# Altium PCB PCB.PcbDoc (part 1 of 4) (continued)
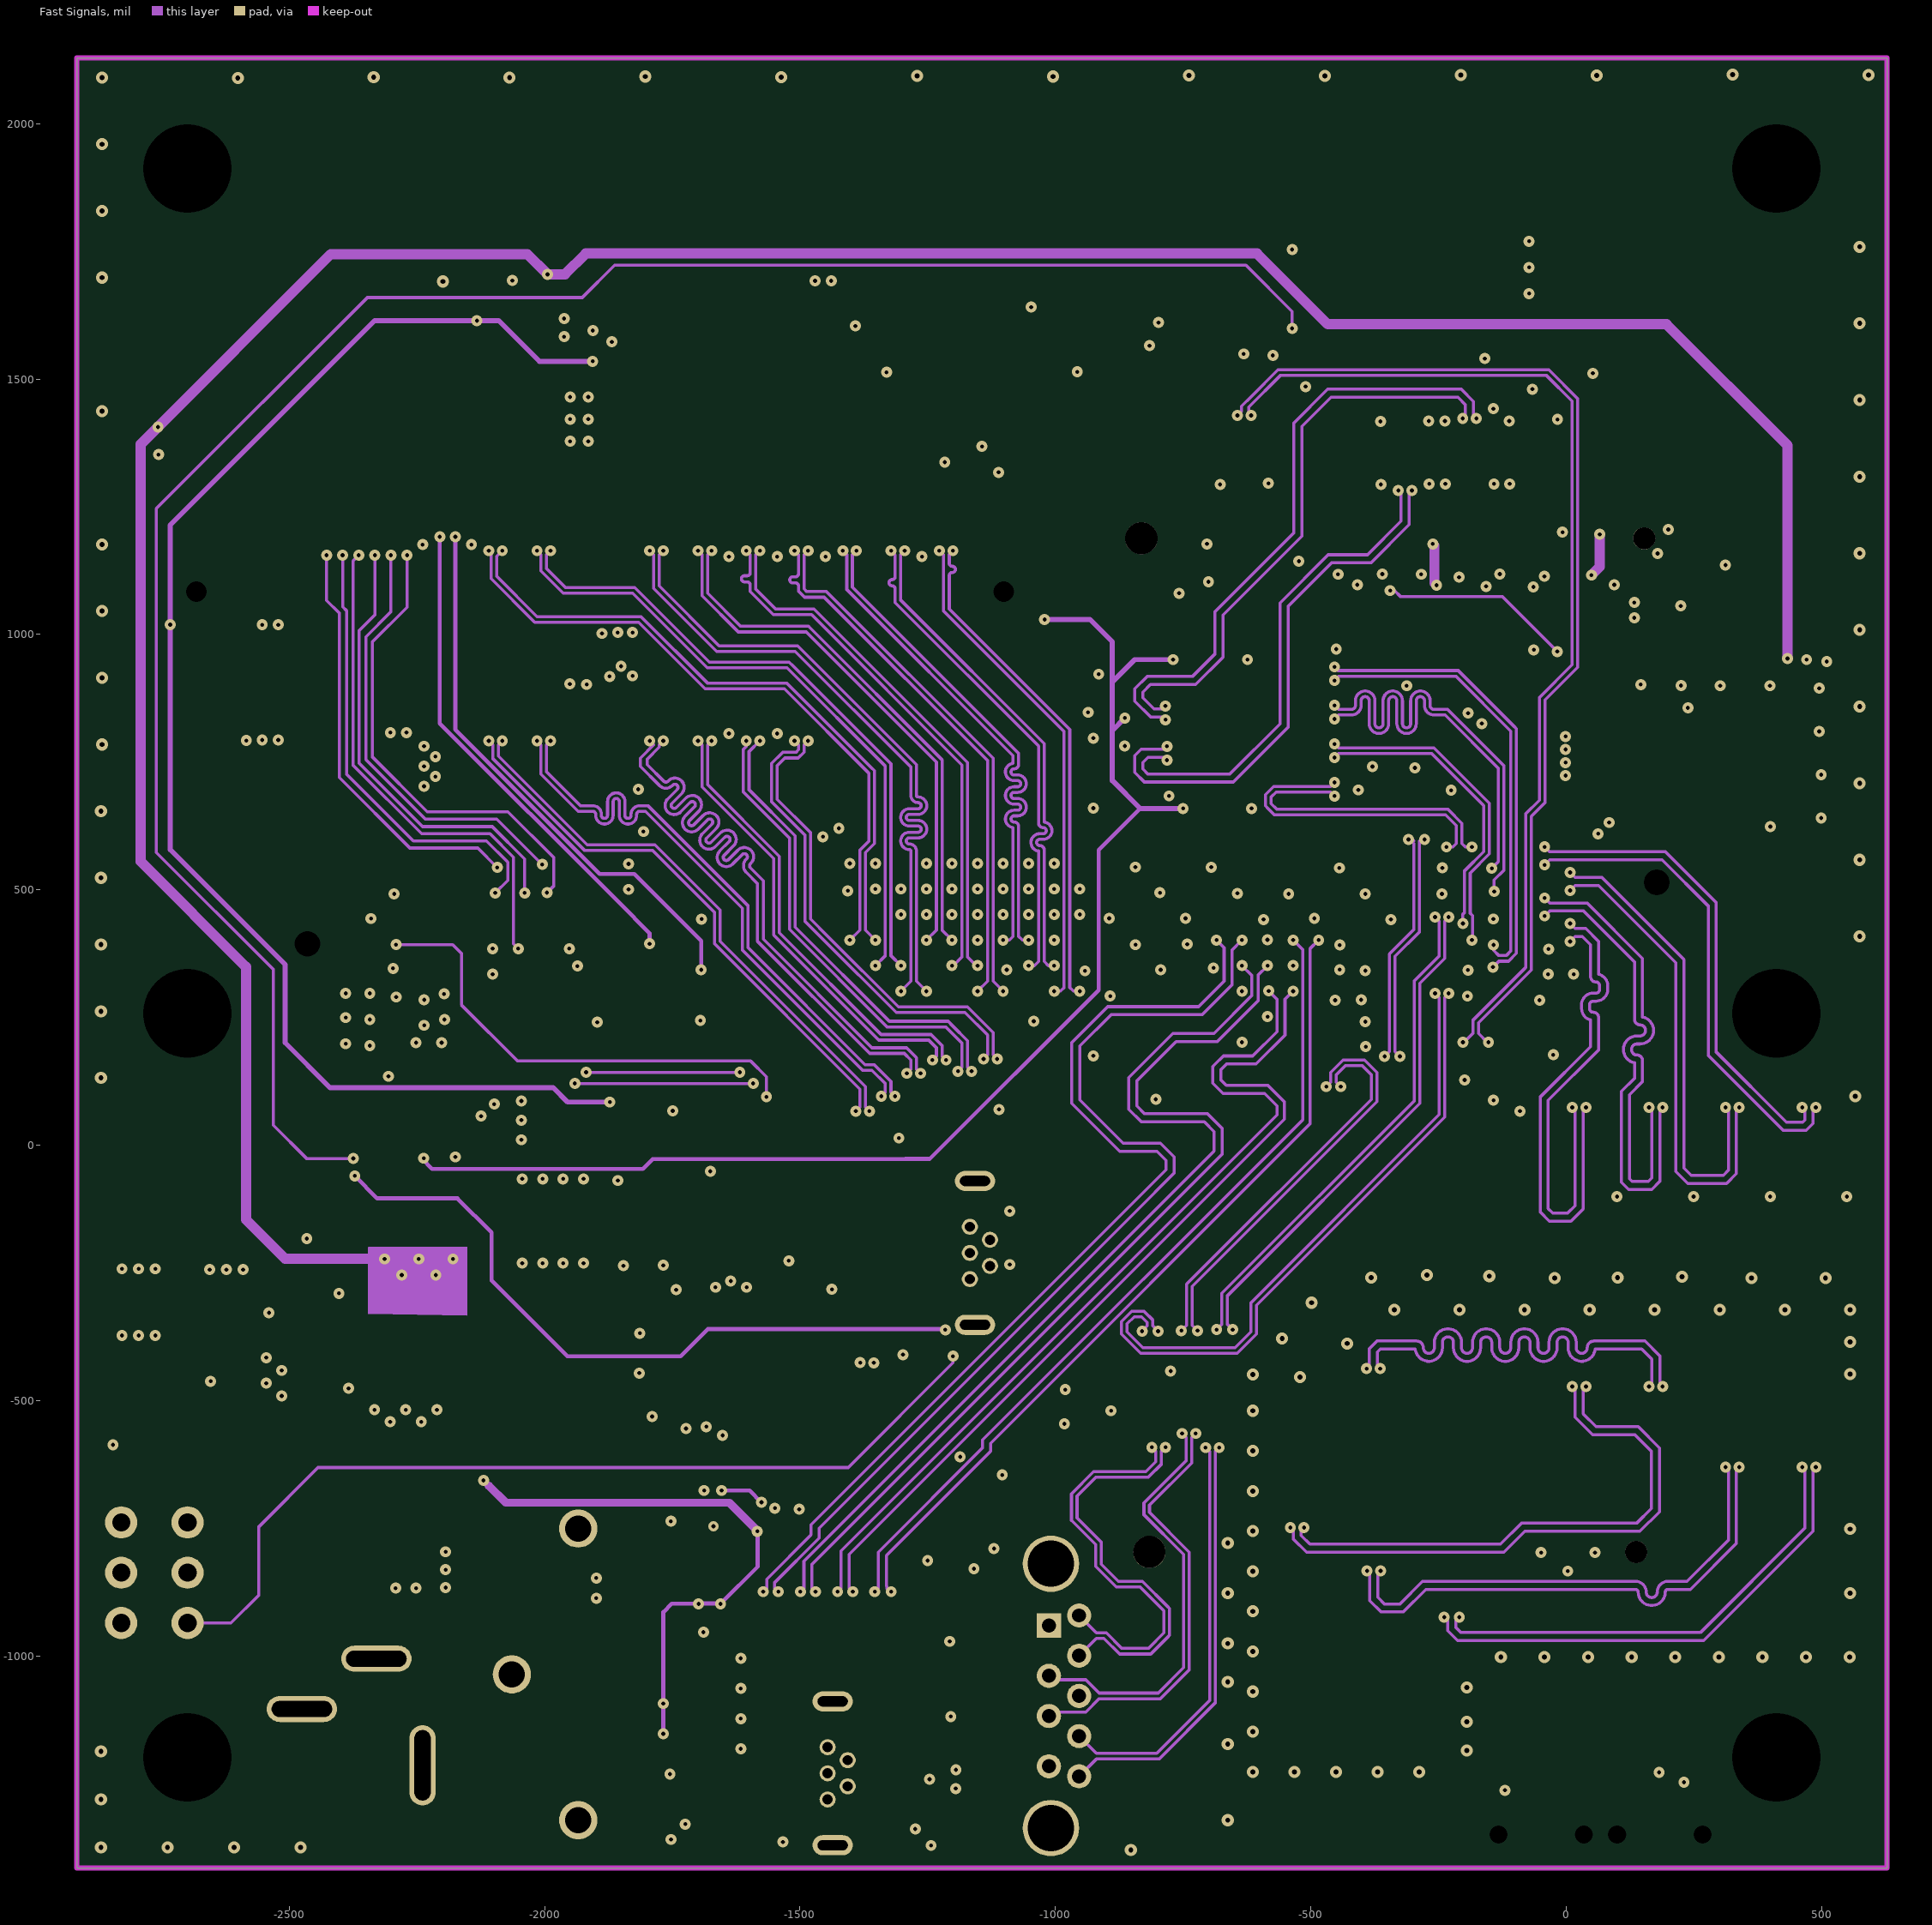
[diagram p4: Fast Signals]
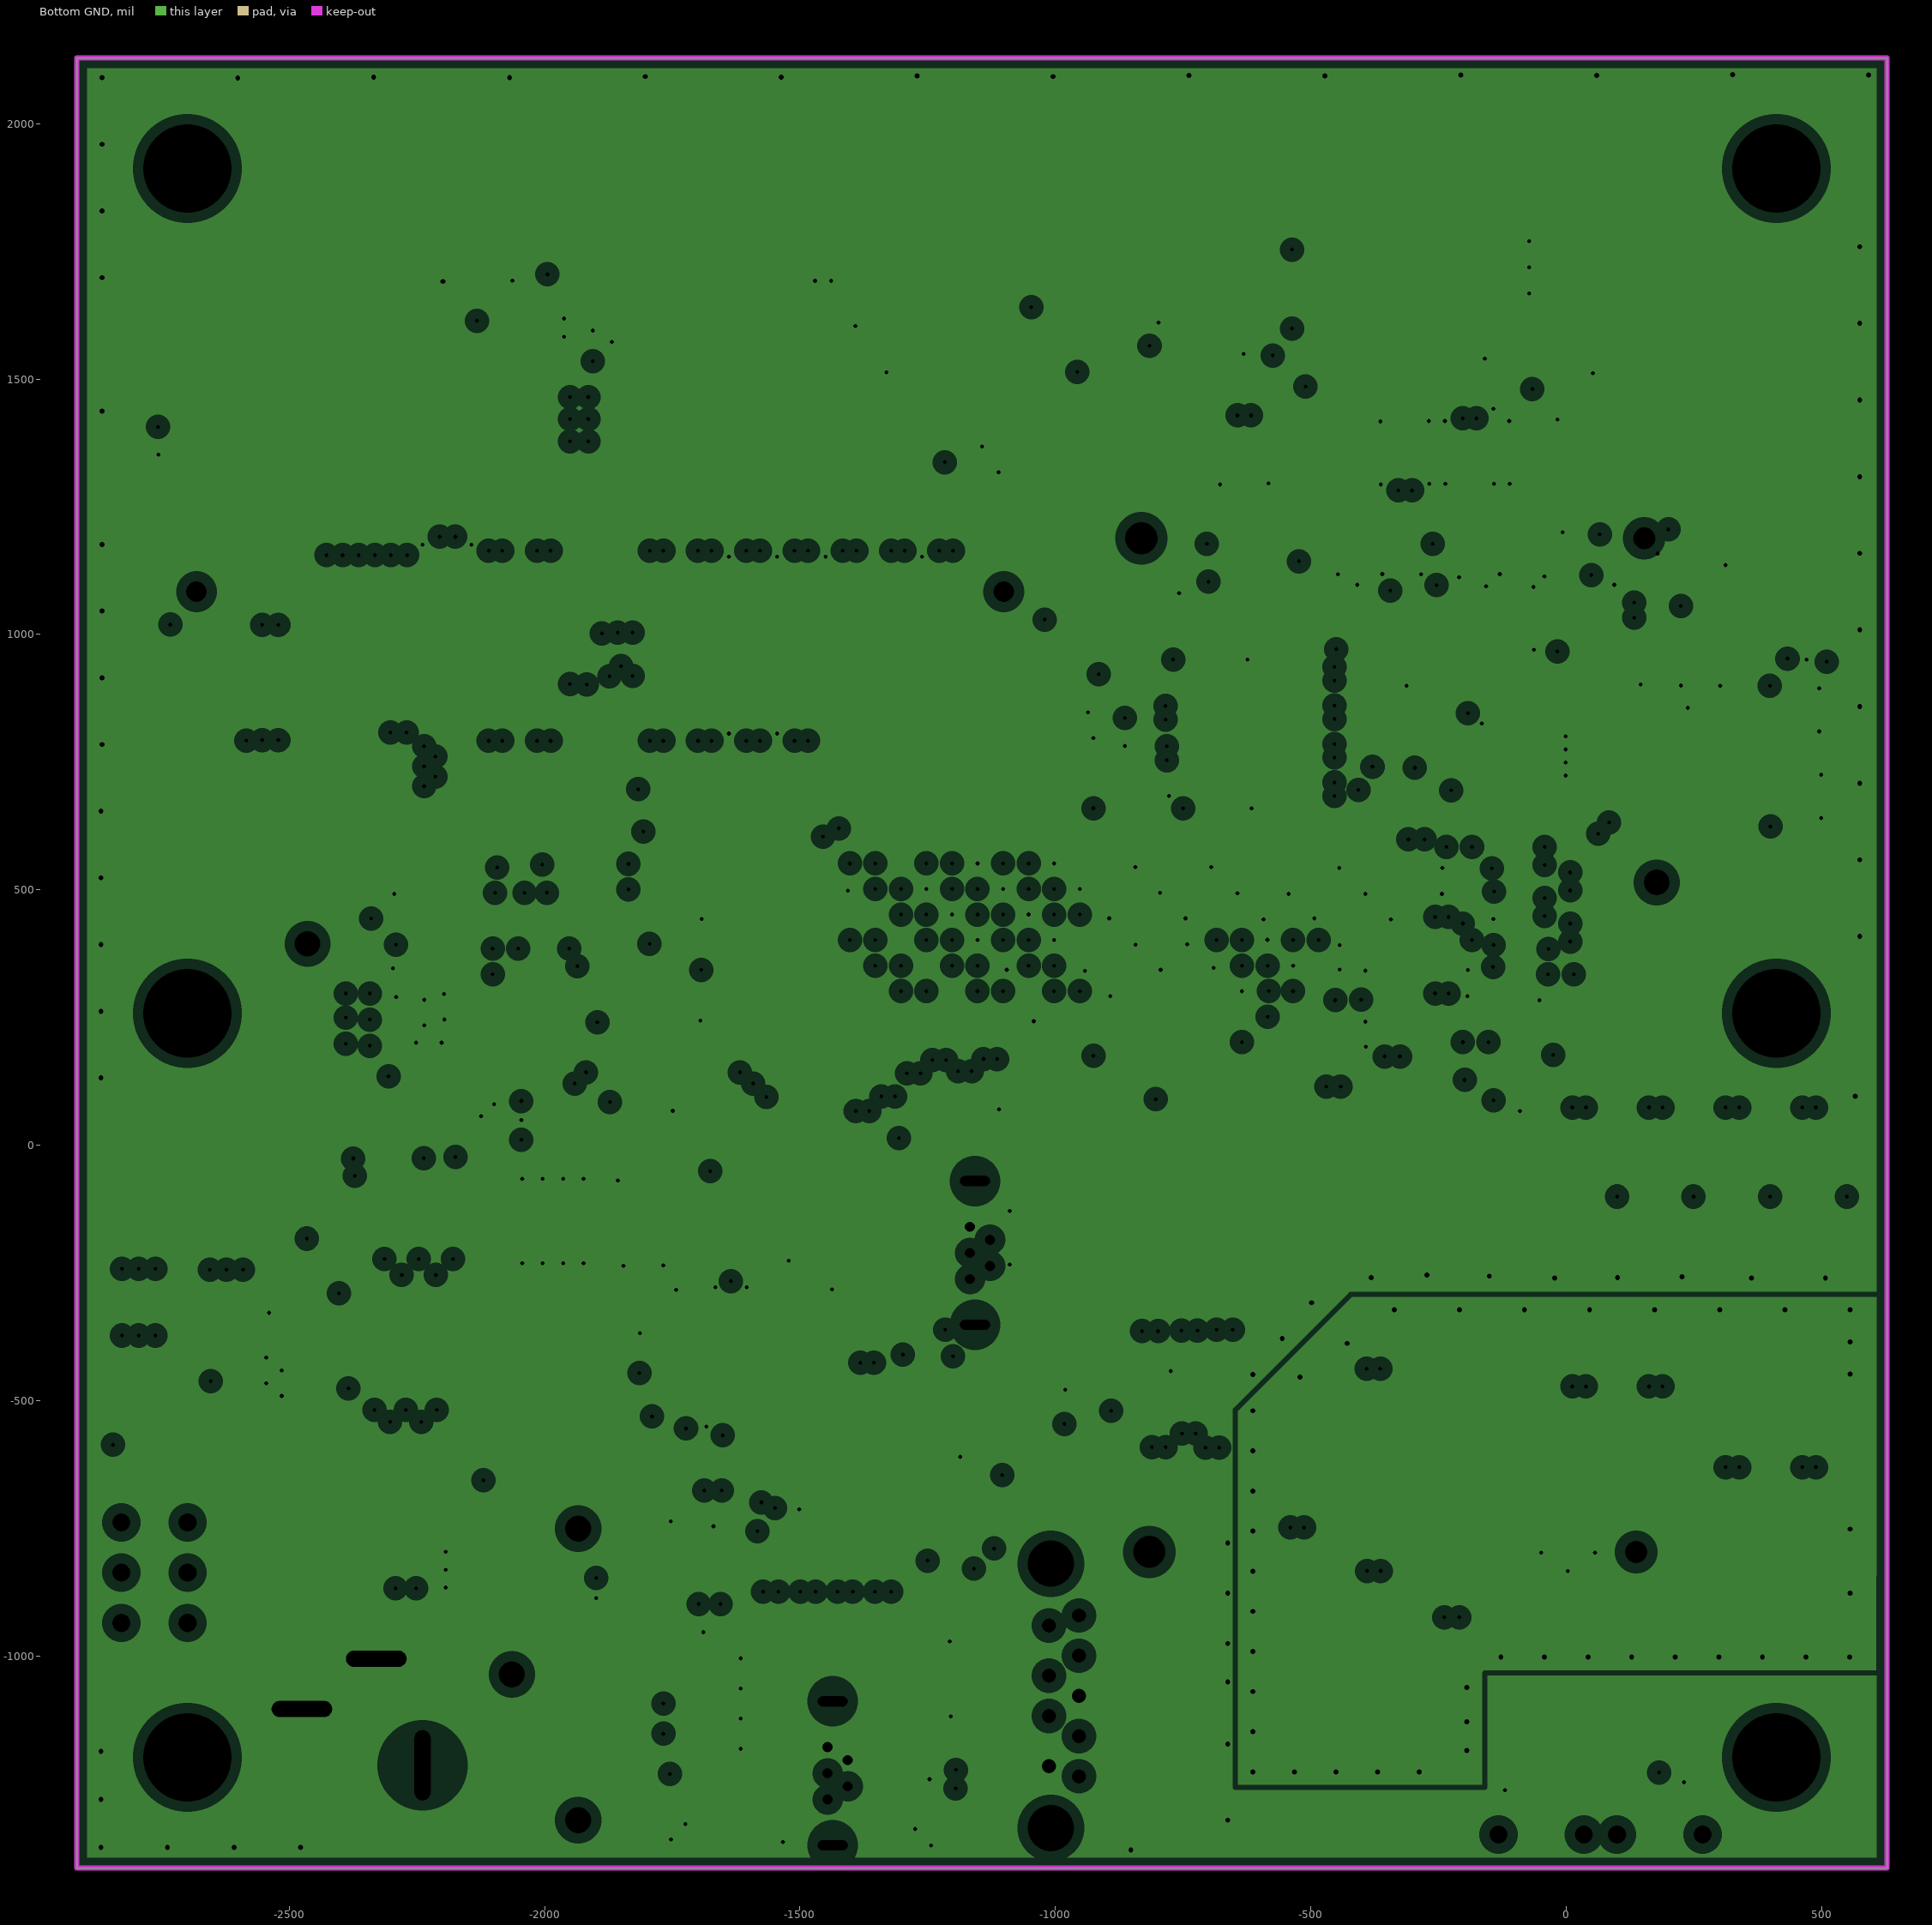
[diagram p5: Bottom GND, clearances drawn from the general rule]
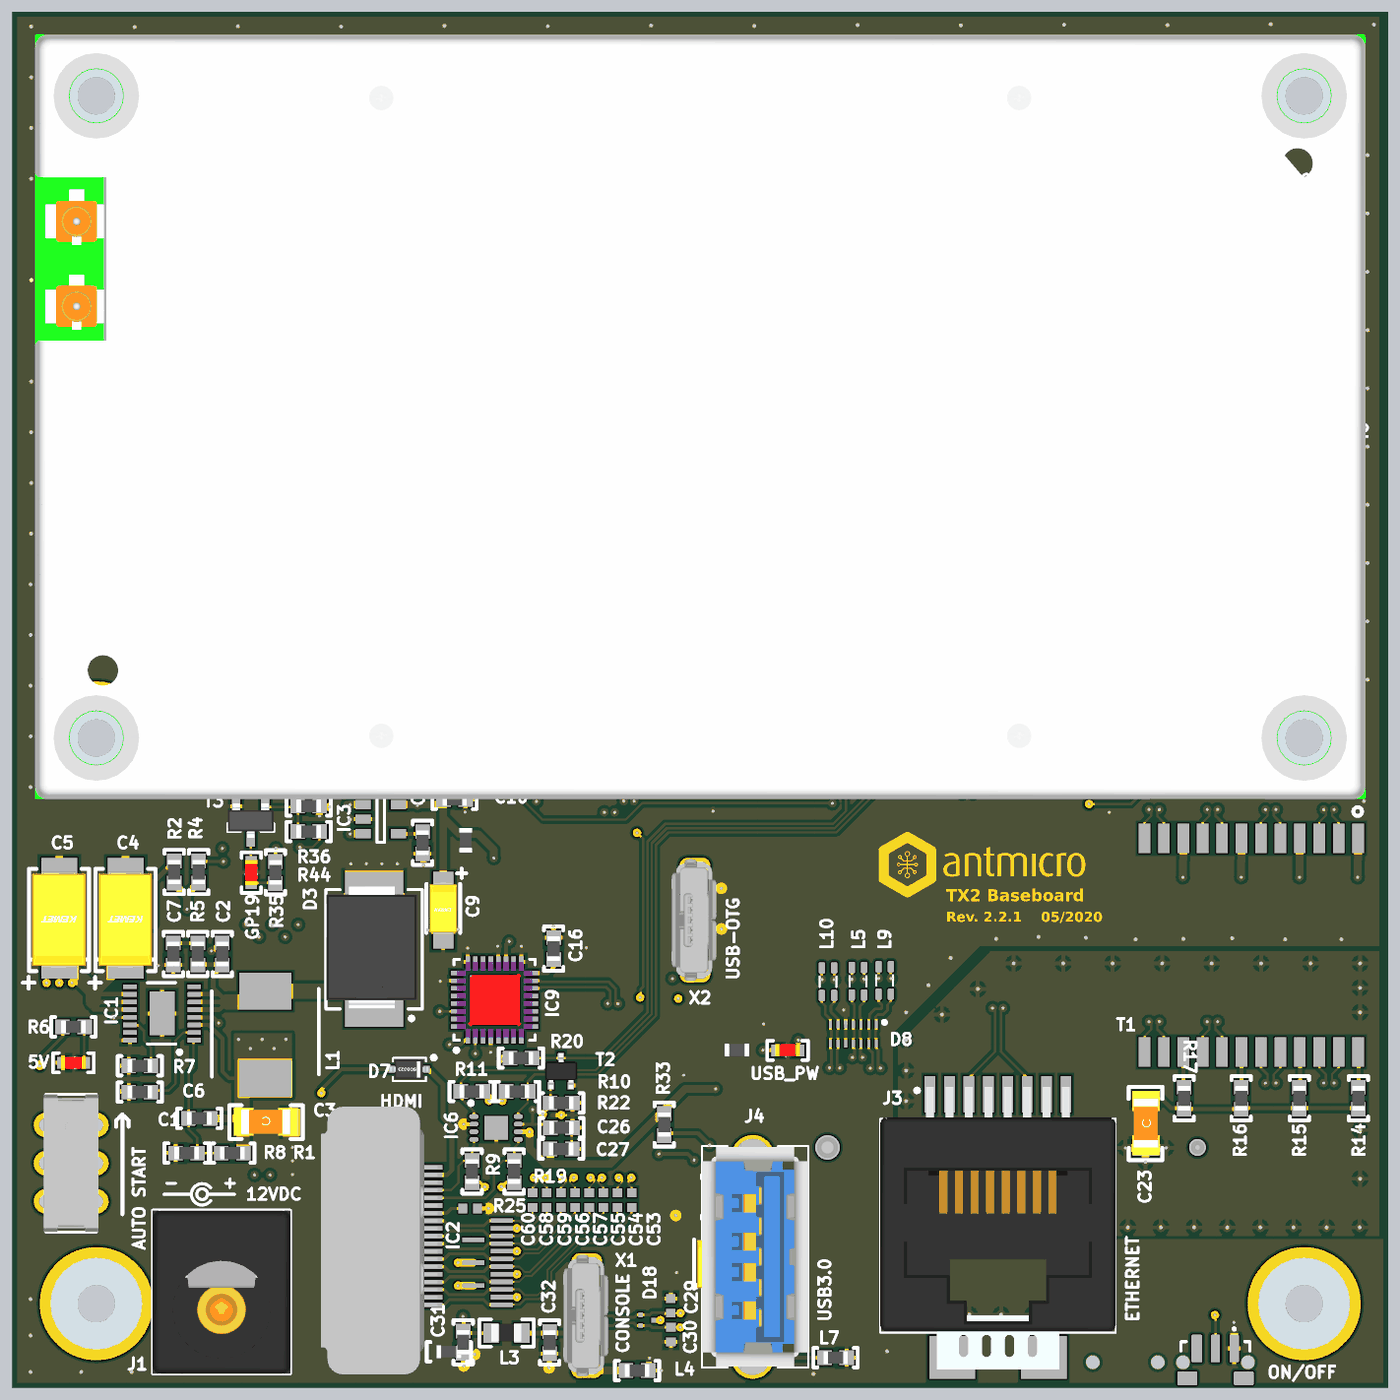
[diagram p9: 3D render of the assembled board from above, using the file's embedded part models]
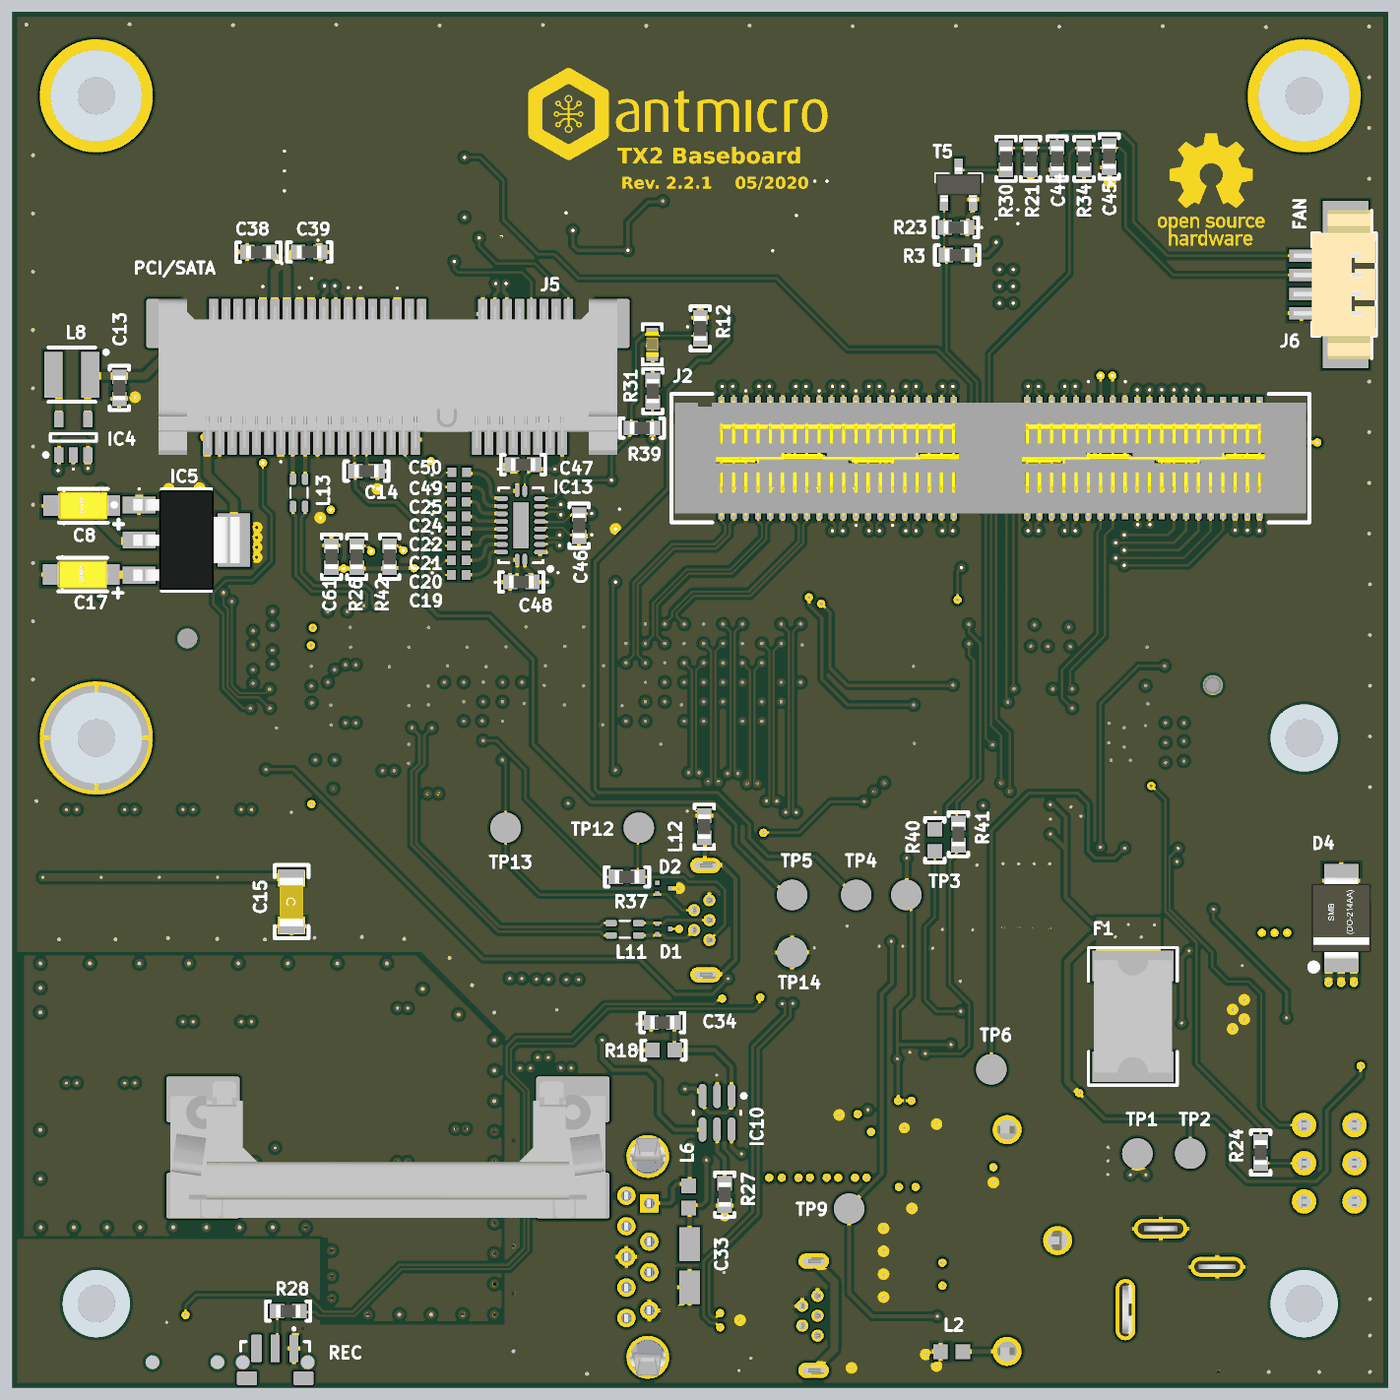
[diagram p10: 3D render of the assembled board from below, using the file's embedded part models]

## Layer stack, top to bottom
Top Solder: solder mask 0.4, Solder Resist, Dk 3.5
Component Side: signal copper 1.378
Dielectric 1: prepreg 5.9843, FR-4, Dk 4.6
Top GND: plane copper 1.378, net (Multiple Nets)
Dielectric 6: prepreg 9.4488, Dk 4.6
Dummy Layer: signal copper 1.378
Dielectric 5: core 19.685, Dk 4.6
Fast Signals: signal copper 1.378
Dielectric 4: prepreg 9.4488, Dk 4.6
Bottom GND: plane copper 1.378, net (Multiple Nets)
Dielectric 3: prepreg 5.9843, Dk 4.6
Solder Side: signal copper 1.378
Bottom Solder: solder mask 0.4, Solder Resist, Dk 3.5

## Board outline
-2915.55,-1414.84 -2915.55,2128.46 627.76,2128.46 627.76,-1414.84

## Design rules (kind name [scope] priority, off if disabled: settings)
Clearance PolyClearance_VIN [InNet('VIN') And InPolygon] p1: gap=19.68
Clearance PolyClearance [InPolygon] p2: gap=7.87
Clearance [All] p3: gap=4.92
ComponentClearance [All] p1: gap=10 collisioncheckmode=3 verticalgap=0 showdistances=FALSE
DiffPairsRouting DiffPairsRouting_100Ohm [InNetClass('Zd_100Ohm')] p1: maxlimit=9.84 minlimit=5 mostfreqgap=9.84 toplayer_maxgap=5 toplayer_prefgap=5 toplayer_minwidth=5 toplayer_maxwidth=5.98 toplayer_prefwidth=5 midlayer1_mingap=9.84 midlayer1_minwidth=5 midlayer1_maxwidth=5.98 midlayer1_prefwidth=5 midlayer2_mingap=9.84 midlayer2_minwidth=5 midlayer2_maxwidth=5.98 midlayer2_prefwidth=5 bottomlayer_maxgap=5 bottomlayer_prefgap=5 bottomlayer_minwidth=5 bottomlayer_maxwidth=5.98 bottomlayer_prefwidth=0 maxuncoupledlength=500
DiffPairsRouting DiffPairsRouting_90Ohm [InNetClass('Zd_90Ohm')] p2: maxlimit=7.09 minlimit=5 mostfreqgap=7.09 toplayer_minwidth=7.09 toplayer_maxwidth=7.09 toplayer_prefwidth=7.09 midlayer1_maxgap=5 midlayer1_prefgap=5 midlayer1_minwidth=5.98 midlayer1_maxwidth=5.98 midlayer1_prefwidth=5.98 midlayer2_maxgap=5 midlayer2_prefgap=5 midlayer2_minwidth=5.98 midlayer2_maxwidth=5.98 midlayer2_prefwidth=5.98 bottomlayer_minwidth=7.09 bottomlayer_maxwidth=7.09 bottomlayer_prefwidth=7.09 maxuncoupledlength=500
Height [All] p1 off: minheight=0 maxheight=1000 prefheight=500
HoleSize [All] p1: absolutevalues=TRUE maxlimit=177.17 minlimit=7.87 maxpercent=80.000 minpercent=20.000
MinimumAnnularRing [All] p1: minimumring=3.94
MinimumSolderMaskSliver [All] p1: minsoldermaskwidth=0
PlaneClearance AM_clearance [InNet('GND')] p1: clearance=20
PlaneClearance [InPolygon] p2: clearance=78.74
PlaneConnect [All] p1: planeconnectstyle=Direct reliefexpansion=20 reliefentries=4 reliefconductorwidth=10 reliefairgap=10
PolygonConnect PolygonConnectDirect [isVia vs InNet('GND') or InNet('VIN') or InNet('VIN_MOD')] p1: connectstyle=Direct reliefconductorwidth=10 reliefentries=4 polygonreliefangle="90 Angle" airgapwidth=10
PolygonConnect PolygonConnectGeneral [All] p2: connectstyle=Relief reliefconductorwidth=10 reliefentries=4 polygonreliefangle="90 Angle" airgapwidth=10
RoutingVias [All] p1: holewidth=7.87 width=21.65 viastyle="Through Hole" minholewidth=7.87 minwidth=21.65 maxholewidth=7.87 maxwidth=21.65
SilkToSilkClearance [All] p1: silktosilkclearance=6
SilkToSolderMaskClearance [IsPad] p1: minsilkscreentomaskgap=0.04 clearancetoexposedcopper=TRUE
SolderMaskExpansion TentVias [isVia] p1: expansion=-11.81
SolderMaskExpansion [All] p2: expansion=4
Width [All] p1: maxlimit=78.74 minlimit=5 preferedwidth=5.98 toplayer_maxwidth=39.37 toplayer_prefwidth=5 midlayer1_maxwidth=20 midlayer1_prefwidth=5 midlayer2_minwidth=5.91 bottomlayer_maxwidth=20 bottomlayer_prefwidth=5 minimp=50.000000 maximp=50.000000 favimp=50.000000
20 further rules are at their usual default settings.

## Classes and differential pairs
net class Zd_90Ohm: GND SHIELD_USB USB0_D_N USB0_D_P USB0_DP_N USB0_DP_P USB0_ID USB1_D_L_N USB1_D_L_P USB1_D_N USB1_D_P USB2_D_N USB2_D_P USB2_DL_N USB2_DL_P USB3_RX_L_N USB3_RX_L_P USB3_RX_N USB3_RX_P USB3_TX_L_N USB3_TX_L_P USB3_TX_N USB3_TX_P USB_D_N USB_D_P VCC_USB
net class Zd_100Ohm: CSI0_CLK_N CSI0_CLK_P CSI0_D0_N CSI0_D0_P CSI0_D1_N CSI0_D1_P CSI1_CLK_N CSI1_CLK_P CSI1_D0_N CSI1_D0_P CSI1_D1_N CSI1_D1_P CSI2_CLK_N CSI2_CLK_P CSI2_D0_N CSI2_D0_P CSI2_D1_N CSI2_D1_P CSI3_CLK_N CSI3_CLK_P CSI3_D0_N CSI3_D0_P CSI3_D1_N CSI3_D1_P CSI4_CLK_N CSI4_CLK_P CSI4_D0_N CSI4_D0_P CSI4_D1_N CSI4_D1_P CSI5_CLK_N CSI5_CLK_P CSI5_D0_N CSI5_D0_P CSI5_D1_N CSI5_D1_P GBE_MDI0_N GBE_MDI0_P GBE_MDI1_N GBE_MDI1_P GBE_MDI2_N GBE_MDI2_P GBE_MDI3_N GBE_MDI3_P MDI0_N MDI0_P MDI1_N MDI1_P MDI2_N MDI2_P MDI3_N MDI3_P PEX/SATA_TX_N PEX/SATA_TX_P PEX_CLK_N PEX_CLK_P PEX_RX/SATA_RX_N PEX_RX/SATA_RX_P PEX_RX_MOD_N PEX_RX_MOD_P PEX_RX_N PEX_RX_P PEX_TX_MOD_N PEX_TX_MOD_P PEX_TX_N PEX_TX_P SATA_RX_MOD_N SATA_RX_MOD_P SATA_RX_N SATA_RX_P SATA_SEL SATA_TX_MOD_N SATA_TX_MOD_P SATA_TX_N SATA_TX_P TMDS_CLK_C_N TMDS_CLK_C_P TMDS_CLK_N TMDS_CLK_P TMDS_D0_C_N TMDS_D0_C_P TMDS_D0_N TMDS_D0_P TMDS_D1_C_N TMDS_D1_C_P TMDS_D1_N TMDS_D1_P TMDS_D2_C_N TMDS_D2_C_P TMDS_D2_N TMDS_D2_P
component class Camera: J2
component class Ethernet: C15 C23 J3 R14 R15 R16 R17 T1
component class HDMI: C26 C27 C53 C54 C55 C56 C57 C58 C59 C60 D7 HDMI IC2 IC6 L2 R9 R10 R11 R19 R20 R22 R25 T2
component class SoM_Interfaces: M1 M2 M3 M4 M5 M6 M7
component class UART: C16 C29 C30 C31 C32 D18 IC9 L3 L4 R40 R41 TP9 X1
component class USB: C14 C19 C20 C21 C22 C24 C25 C33 C34 C36 C37 C38 C39 C46 C47 C48 C49 C50 D1 D2 D8 GP19 IC10 IC13 J4 J5 L5 L6 L7 L9 L10 L11 L12 L13 LED2 PCI/SATA R12 R13 R18 R27 R29 R31 R32 R33 R35 R36 R37 R39 R44 T3 T4 TP12 TP13 X2
component class Misc: "AUTO START" C40 C41 C42 C43 C44 C45 C52 IC11 IC12 J6 On/Off R3 R21 R23 R24 R28 R30 R34 R38 R45 R46 R47 R48 REC T5 T6 T7
component class ID-Serial: C28 C61 IC14 IC15 R26 R42 R43 R49 R50 R51 R52 R53 R54 R55 R56 R57 R58 R59 R60 R61 R62 R63 R64 R65 R66 R67 R68 R69 R70 R71 R72
component class Supply: 5V C1 C2 C3 C4 C5 C6 C7 C8 C9 C10 C11 C12 C13 C17 C18 C35 C51 D3 D4 F1 IC1 IC3 IC4 IC5 IC7 IC8 J1 L1 L8 R1 R2 R4 R5 R6 R7 R8 TP1 TP2 TP3 TP4 TP5 TP6 TP14
differential pair TMDS_CLK_C: +TMDS_CLK_C_P -TMDS_CLK_C_N
differential pair TMDS_D2_C: +TMDS_D2_C_P -TMDS_D2_C_N
differential pair TMDS_D1_C: +TMDS_D1_C_P -TMDS_D1_C_N
differential pair TMDS_D0_C: +TMDS_D0_C_P -TMDS_D0_C_N
differential pair USB3_TX_L: +USB3_TX_L_P -USB3_TX_L_N
differential pair USB3_RX_L: +USB3_RX_L_P -USB3_RX_L_N
differential pair USB1_D_L: +USB1_D_L_P -USB1_D_L_N
differential pair PEX_RX/SATA_RX: +PEX_RX/SATA_RX_P -PEX_RX/SATA_RX_N
differential pair SATA_TX_MOD: +SATA_TX_MOD_P -SATA_TX_MOD_N
differential pair SATA_RX_MOD: +SATA_RX_MOD_P -SATA_RX_MOD_N
differential pair PEX_TX_MOD: +PEX_TX_MOD_P -PEX_TX_MOD_N
differential pair PEX_RX_MOD: +PEX_RX_MOD_P -PEX_RX_MOD_N
differential pair GBE_MDI3: +GBE_MDI3_P -GBE_MDI3_N
differential pair GBE_MDI2: +GBE_MDI2_P -GBE_MDI2_N
differential pair GBE_MDI1: +GBE_MDI1_P -GBE_MDI1_N
differential pair GBE_MDI0: +GBE_MDI0_P -GBE_MDI0_N
differential pair TMDS_CLK: +TMDS_CLK_P -TMDS_CLK_N
differential pair TMDS_D0: +TMDS_D0_P -TMDS_D0_N
differential pair TMDS_D1: +TMDS_D1_P -TMDS_D1_N
differential pair TMDS_D2: +TMDS_D2_P -TMDS_D2_N
differential pair USB_D: +USB_D_P -USB_D_N
differential pair CSI0_CLK: +CSI0_CLK_P -CSI0_CLK_N
differential pair CSI0_D0: +CSI0_D0_P -CSI0_D0_N
differential pair CSI0_D1: +CSI0_D1_P -CSI0_D1_N
differential pair CSI1_CLK: +CSI1_CLK_P -CSI1_CLK_N
differential pair CSI1_D0: +CSI1_D0_P -CSI1_D0_N
differential pair CSI1_D1: +CSI1_D1_P -CSI1_D1_N
differential pair CSI2_CLK: +CSI2_CLK_P -CSI2_CLK_N
differential pair CSI2_D0: +CSI2_D0_P -CSI2_D0_N
differential pair CSI2_D1: +CSI2_D1_P -CSI2_D1_N
differential pair CSI3_CLK: +CSI3_CLK_P -CSI3_CLK_N
differential pair CSI3_D0: +CSI3_D0_P -CSI3_D0_N
differential pair CSI3_D1: +CSI3_D1_P -CSI3_D1_N
differential pair CSI4_CLK: +CSI4_CLK_P -CSI4_CLK_N
differential pair CSI4_D0: +CSI4_D0_P -CSI4_D0_N
differential pair CSI4_D1: +CSI4_D1_P -CSI4_D1_N
differential pair CSI5_CLK: +CSI5_CLK_P -CSI5_CLK_N
differential pair CSI5_D0: +CSI5_D0_P -CSI5_D0_N
differential pair CSI5_D1: +CSI5_D1_P -CSI5_D1_N
differential pair PEX_CLK: +PEX_CLK_P -PEX_CLK_N
differential pair PEX_RX: +PEX_RX_P -PEX_RX_N
differential pair PEX_TX: +PEX_TX_P -PEX_TX_N
differential pair USB1_D: +USB1_D_P -USB1_D_N
differential pair USB2_D: +USB2_D_P -USB2_D_N
differential pair USB3_RX: +USB3_RX_P -USB3_RX_N
differential pair USB3_TX: +USB3_TX_P -USB3_TX_N
differential pair PEX/SATA_TX: +PEX/SATA_TX_P -PEX/SATA_TX_N
differential pair SATA_RX: +SATA_RX_P -SATA_RX_N
differential pair SATA_TX: +SATA_TX_P -SATA_TX_N
differential pair USB0_DP: +USB0_DP_P -USB0_DP_N
differential pair USB0_D: +USB0_D_P -USB0_D_N
differential pair MDI0: +MDI0_P -MDI0_N
differential pair MDI1: +MDI1_P -MDI1_N
differential pair MDI2: +MDI2_P -MDI2_N
differential pair MDI3: +MDI3_P -MDI3_N
differential pair USB2_DL: +USB2_DL_P -USB2_DL_N

## Components (designator, comment, footprint, x,y, rotation, side; value= is the part's Value field where it differs from the comment)
5V "KPT-1608SGC" LED0603 -2757.87,-577.95 r180 top
"AUTO START" "JS202011CQN" JS202011CQN -2763.78,-836.61 r90 top
C1 "10p" 0603#1 -2433.78,-721.1 r0 top
C2 "470n" 0603#1 -2374.68,-297.84 r90 top
C3 "47u" 1206 -2198.78,-730.71 r180 top
C4 "22u" KEMET_C -2623.55,-205.84 r90 top
C5 "22u" KEMET_C -2794.55,-205.84 r90 top
C6 "10n" 0603#1 -2587.01,-653.54 r0 top
C7 "470p" 0603#1 -2500.66,-297.84 r90 top
C8 "10u" KEMET_A#1 448.82,856.3 r0 bottom
C9 "4u7" KEMET_A#1 -1805.55,-184.84 r270 top
C10 "100n" 0603#1 -1776.38,100.39 r0 top
C11 "10n" 0603#1 -1859.06,-11.42 r90 top
C12 "4u7" 0603#1 500,991.34 r0 top
C13 "10u" 0603#1 351.97,1159.84 r90 bottom
C14 "10u" 0603#1 -284.25,945.67 r180 bottom
C15 "10n" 1206 -91.73,-100 r270 bottom
C16 "100n" 0603#1 -1521.32,-284.07 r270 top
C17 "10u" KEMET_A#1 450.59,679.13 r0 bottom
C18 "10u" KEMET_C -2040.47,1527.72 r90 top
C19 "100n" 0402 -521.85,678.15 r0 bottom
C20 "100n" 0402 -521.85,715.83 r0 bottom
C21 "100n" 0402 -521.85,753.52 r0 bottom
C22 "100n" 0402 -521.85,791.2 r0 bottom
C23 "1n" 1206 2.76,-797.24 r90 top
C24 "100n" 0402 -521.85,828.88 r0 bottom
C25 "100n" 0402 -521.85,866.56 r0 bottom
C26 "100n" 0603#1 -1501.18,-745.28 r180 top
C27 "100n" 0603#1 -1502.1,-800 r180 top
C28 "100n" 0603#1 -261.81,876.38 r270 top
C29 "47p" 0402 -1219.52,-1203.86 r270 top
C30 "47p" 0402 -1219.34,-1277.94 r90 top
C31 "100n" 0603#1 -1754.33,-1297.64 r90 top
C32 "10n" 0603#1 -1531.89,-1298.43 r270 top
C33 "100u" KEMET_A#2 -1116.14,-1100.79 r90 bottom
C34 "1u" 0603#1 -1046.46,-474.41 r180 bottom
C35 "10u" KEMET_A#1 -1453.86,1563.15 r90 top
C36 "10u" 0603#2 30.31,1108.66 r0 bottom
C37 "10u" 0603#1 -729.53,1141.73 r180 top
C38 "10u" 0603#1 -6.3,1509.45 r0 bottom
C39 "10u" 0603#1 -137.01,1509.84 r180 bottom
C40 "100n" 0603#1 -768.69,1560.4 r90 top
C41 "100n" 0603#1 -1359.24,1585.01 r270 top
C42 "1u" 0603#1 -1111.21,1388.16 r90 top
C43 "100n" 0603#1 -2719.69,1379.13 r90 top
C44 "10p" 0603#1 -2062.99,1750.39 r90 bottom
C45 "10p" 0603#1 -2196.85,1755.91 r90 bottom
C46 "10n" 0603#1 -831.89,805.12 r90 bottom
C47 "10n" 0603#1 -687.64,962.07 r180 bottom
C48 "10n" 0603#1 -683.07,660.24 r180 bottom
C49 "100n" 0402 -521.85,904.25 r0 bottom
C50 "100n" 0402 -523.23,942.91 r0 bottom
C51 "80mF" XH414HG-IV01E 182.87,1635.83 r270 top
C52 "10u" 0603#1 -2788.13,1378.65 r90 top
C53 "100n" 0402 -1320.55,-931.95 r270 top
C54 "100n" 0402 -1356.98,-931.95 r270 top
C55 "100n" 0402 -1393.41,-931.95 r270 top
C56 "100n" 0402 -1466.27,-931.95 r270 top
C57 "100n" 0402 -1429.84,-931.95 r270 top
C58 "100n" 0402 -1539.12,-931.95 r270 top
C59 "100n" 0402 -1502.69,-931.95 r270 top
C60 "100n" 0402 -1575.55,-931.95 r270 top
C61 "100n" 0603#1 -194.09,725.2 r270 bottom
D1 "TPD2E009DRTR" SOT-3 -1050.08,-233.42 r270 bottom
D2 "TPD2E009DRTR" SOT-3 -1050.08,-128.77 r270 bottom
D3 "MBRS540T3G" SMC-403-03 -1983.78,-285.71 r270 top
D4 "SMBJ20CA-TR" DO-214AA -2794.49,-205.51 r90 bottom
D7 "1N4148WS" SOD-323 -1893.55,-594.84 r270 top
D8 "TPD6E05U06" TPD6E05U06_PASS -749.55,-503.84 r180 top
D18 "TPD2E009DRTR" SOT-3 -1280.55,-1240.84 r270 top
F1 "3.0A" Fuse-MF-LSMF -2258.07,-458.66 r90 bottom
GP19 "KPT-1608SGC" LED0603 -2300,-88.19 r90 top